# Altium PCB MioMicro.PcbDoc (continued)
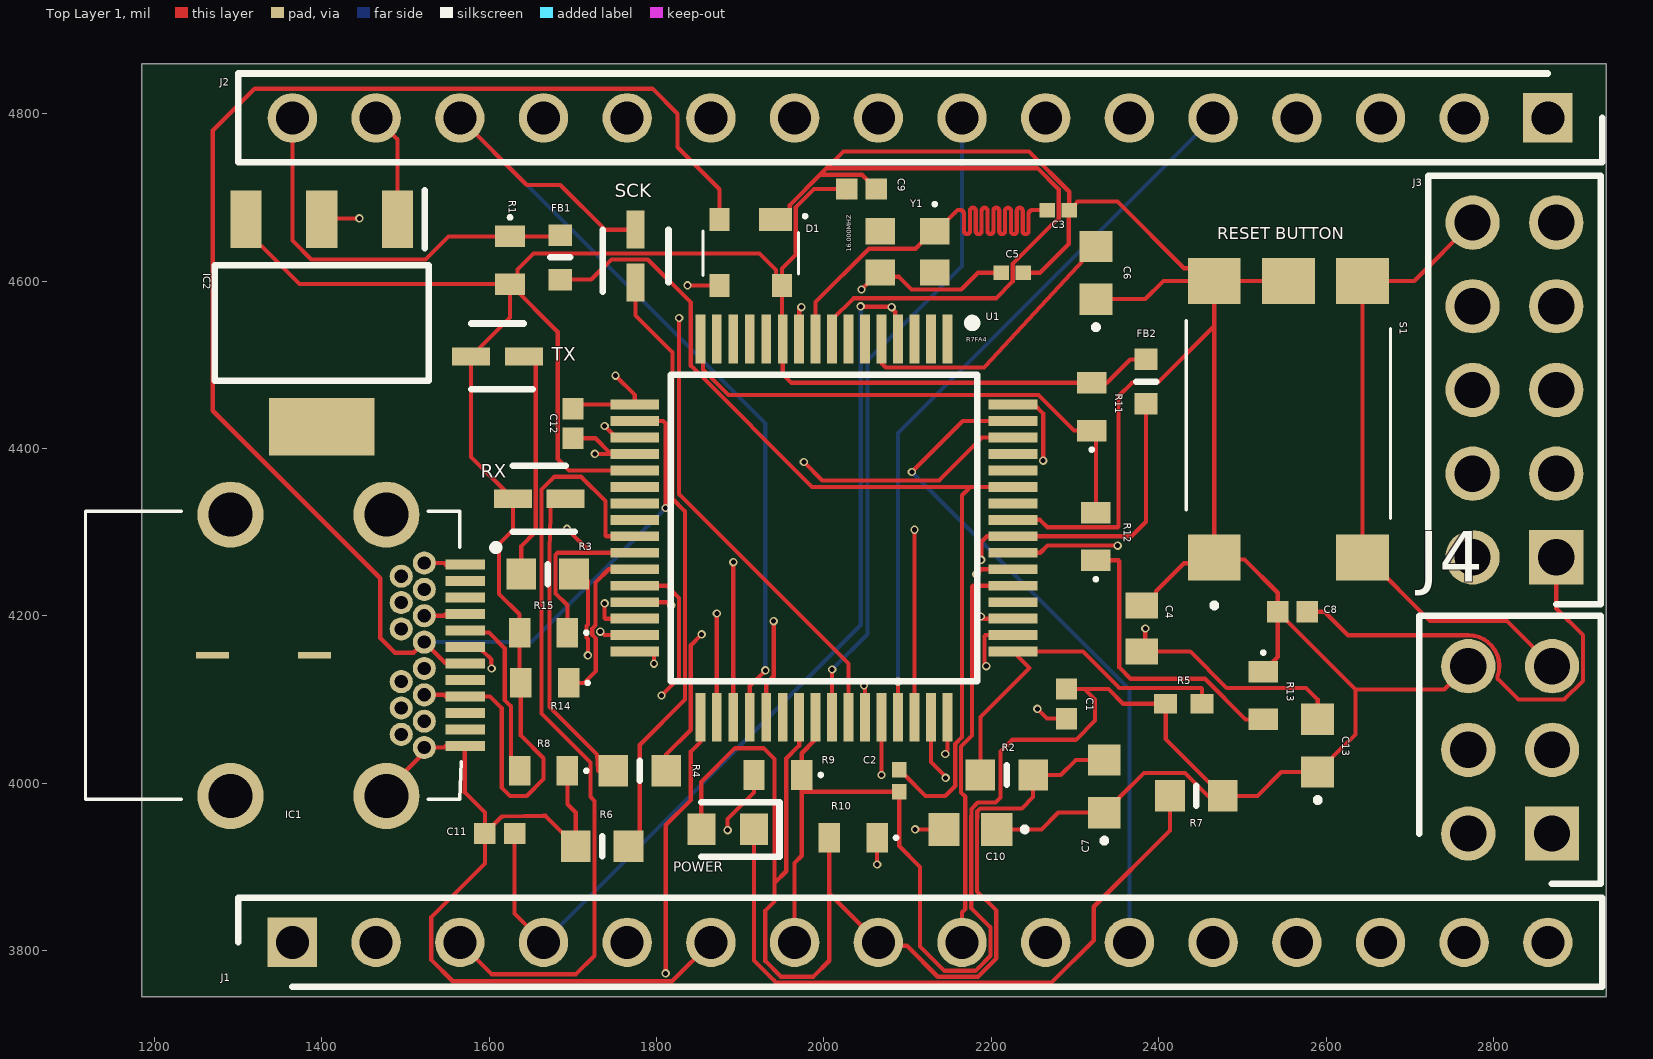
[diagram p0: Top Layer 1 view]
## Footprints (in the part's own frame and the unit in brackets; to place one, negate y for a bottom-side part, rotate by r counter-clockwise, add the part's x,y. Pads: shape width x height; smd on the part's side, far side on the other; paste and mask are expansions set on the pad)
15716363 [mm]
  rect 1.4x1.6 smd: 1(-4.2,2.25) 2(4.2,2.25) 3(-4.2,-2.25) 4(4.2,-2.25) 5(4.2,0)
  silkscreen extent -5.7,-3.1 3,3.1, body extent -4.13,-3.25 4.07,3.25, height 2.58
632723100011 [mm]
  rect 0.3x1.2 smd: A1(-2.75,5.28) A2(-2.25,5.28) A3(-1.75,5.28) A4(-1.25,5.28) A5(-0.75,5.28) A6(-0.25,5.28) A7(0.25,5.28) A8(0.75,5.28) A9(1.25,5.28) A10(1.75,5.28) A11(2.25,5.28) A12(2.75,5.28)
  round 0.7 hole 0.4: B1(2.8,4.03) B2(2.4,3.33) B3(1.6,3.33) B4(1.2,4.03) B5(0.8,3.33) B6(0.4,4.03) B7(-0.4,4.03) B8(-0.8,3.33) B9(-1.2,4.03) B10(-1.6,3.33) B11(-2.4,3.33) B12(-2.8,4.03) G1(-2,4.03) G2(2,4.03)
  round 2.01 hole 1.34: MH1(-4.27,2.88) MH2(4.27,2.88) MH3(-4.27,-1.85) MH4(4.27,-1.85)
  rect 0.2x1 smd: MP1(0,0.7) MP2(0,-2.4)
  silkscreen extent -4.37,-6.25 4.37,6.25, body extent -4.37,-6.24 4.37,5.55, height 2.93
ABM10 [mm]
  rect 0.9x0.8 smd: 1(-0.825,-0.625) 2(0.825,-0.625) 3(0.825,0.625) 4(-0.825,0.625)
  silkscreen extent -0.87,-1.5 -0.78,-1.4, body extent -1.25,-1 1.25,1, height 0.8
BLM18SP221SN1B [mm]
  rect 0.65x0.7 smd: 1(-0.675,0) 2(0.675,0)
  silkscreen extent 0,-0.3 0,0.3, body extent -0.8,-0.4 0.8,0.4, height 0.8
C0603 [mm]
  rect 0.95x1 smd: 1(-0.8,0) 2(0.8,0)
  silkscreen extent -1.7,-0.05 -1.6,0.05, body extent -0.87,-0.48 0.88,0.47, height 0.87
CAPC0603X33N [mm]
  rect 0.47x0.44 smd: 1(-0.335,0) 2(0.335,0)
  body extent -0.3,-0.15 0.3,0.15, height 0.33
CAPC1005X56N [mm]
  rect 0.65x0.64 smd: 1(-0.45,0) 2(0.45,0)
  body extent -0.5,-0.25 0.5,0.25, height 0.56
CAPC1608X90N [mm]
  rect 0.78x0.99 smd: 1(-0.7,0) 2(0.7,0)
  body extent -0.8,-0.41 0.8,0.41, height 0.9
ERA3AEB101V [mm]
  rect 0.65x0.9 smd: 1(-0.725,0) 2(0.725,0)
  silkscreen extent -1.35,-0.05 -1.25,0.05, body extent -0.8,-0.4 0.8,0.4, height 0.45
HDRV6W64P254_2X3_762X500X901P [mm]
  rect 1.65x1.65 hole 1.1: 1(0,0)
  round 1.65 hole 1.1: 2(0,2.54) 3(2.54,0) 4(2.54,2.54) 5(5.08,0) 6(5.08,2.54)
  silkscreen extent -1.52,-1.48 6.6,4.02, body extent -1.27,-1.23 6.35,3.77, height 9.01
HDRV10W64P254X254_2X5_1270X508X869P [mm]
  rect 1.65x1.65 hole 1.1: 1(0,0)
  round 1.65 hole 1.1: 2(0,2.54) 3(2.54,0) 4(2.54,2.54) 5(5.08,0) 6(5.08,2.54) 7(7.62,0) 8(7.62,2.54) 9(10.16,0) 10(10.16,2.54)
  silkscreen extent -1.42,-1.34 11.58,3.88, body extent -1.27,-1.27 11.43,3.81, height 8.69
LEDC1608X90N [mm]
  rect 0.85x0.95 smd: 1(-0.8,0) 2(0.8,0)
  silkscreen extent -1.58,-0.82 0.8,0.82, body extent -0.83,-0.4 0.77,0.4, height 0.8
LEDM1620X150N [mm]
  rect 1.15x0.55 smd: 1(-0.8,0) 2(0.8,0)
  silkscreen extent -1.07,-1 0.8,1, body extent -0.8,-0.4 0.8,0.4, height 0.55
PRTR5V0U2X [mm]
  rect 1x0.7 smd: 1(-0.75,-1)
  rect 0.6x0.7 smd: 2(0.95,-1) 3(0.95,1) 4(-0.95,1)
  silkscreen extent -1.7,-1.15 1.45,0.7, body extent -1.46,-1.2 1.44,1.2, height 0.95
QFP50P1200X1200X170-64N [mm]
  rect 1.475x0.3 smd: 1(-5.738,3.75) 2(-5.738,3.25) 3(-5.738,2.75) 4(-5.738,2.25) 5(-5.738,1.75) 6(-5.738,1.25) 7(-5.738,0.75) 8(-5.738,0.25) 9(-5.738,-0.25) 10(-5.738,-0.75) 11(-5.738,-1.25) 12(-5.738,-1.75) 13(-5.738,-2.25) 14(-5.738,-2.75) 15(-5.738,-3.25) 16(-5.738,-3.75) 33(5.738,-3.75) 34(5.738,-3.25) 35(5.738,-2.75) 36(5.738,-2.25) 37(5.738,-1.75) 38(5.738,-1.25) 39(5.738,-0.75) 40(5.738,-0.25) 41(5.738,0.25) 42(5.738,0.75) 43(5.738,1.25) 44(5.738,1.75) 45(5.738,2.25) 46(5.738,2.75) 47(5.738,3.25) 48(5.738,3.75)
  rect 0.3x1.475 smd: 17(-3.75,-5.738) 18(-3.25,-5.738) 19(-2.75,-5.738) 20(-2.25,-5.738) 21(-1.75,-5.738) 22(-1.25,-5.738) 23(-0.75,-5.738) 24(-0.25,-5.738) 25(0.25,-5.738) 26(0.75,-5.738) 27(1.25,-5.738) 28(1.75,-5.738) 29(2.25,-5.738) 30(2.75,-5.738) 31(3.25,-5.738) 32(3.75,-5.738) 49(3.75,5.738) 50(3.25,5.738) 51(2.75,5.738) 52(2.25,5.738) 53(1.75,5.738) 54(1.25,5.738) 55(0.75,5.738) 56(0.25,5.738) 57(-0.25,5.738) 58(-0.75,5.738) 59(-1.25,5.738) 60(-1.75,5.738) 61(-2.25,5.738) 62(-2.75,5.738) 63(-3.25,5.738) 64(-3.75,5.738)
  silkscreen extent -6.35,-4.65 4.65,4.65, body extent -6,-6 6,6, height 1.7
RESC1005X40N [mm]
  rect 0.7x0.6 smd: 1(-0.55,0) 2(0.55,0)
  body extent -0.51,-0.25 0.51,0.25, height 0.4
RESC1608X55N [mm]
  rect 0.9x0.95 smd: 1(-0.8,0) 2(0.8,0)
  silkscreen extent 0,-0.3 0,0.3, body extent -0.8,-0.4 0.8,0.4, height 0.55
RHDR16W82P0X254_1X16_4114X250X865P [mm]
  rect 1.5x1.5 hole 1: 1(0,0)
  round 1.5 hole 1: 2(2.54,0) 3(5.08,0) 4(7.62,0) 5(10.16,0) 6(12.7,0) 7(15.24,0) 8(17.78,0) 9(20.32,0) 10(22.86,0) 11(25.4,0) 12(27.94,0) 13(30.48,0) 14(33.02,0) 15(35.56,0) 16(38.1,0)
  silkscreen extent -1.65,-1.35 39.75,1.35, body extent -1.52,-1.25 39.62,1.25, height 8.65
SOT230P700X180-4N [mm]
  rect 1.75x0.95 smd: 1(-3.15,2.3) 2(-3.15,0) 3(-3.15,-2.3)
  rect 1.75x3.2 smd: 4(3.15,0)
  silkscreen extent -4.02,-3.25 1.75,3.25, body extent -3.5,-3.25 3.5,3.25, height 1.68

## Part data
C1 C8 C9 C11 C12: "Capacitor", Manufacturer_Name=AVX, Mouser Part Number=581-04025C104KAT2A, Arrow Part Number=04025C104KAT2A, Arrow Price/Stock=https://www.arrow.com/en/products/04025c104kat2a/avx?region=nac, Datasheet Link=http://www.mouser.com/catalog/supplier/library/pdf/AVXSurfaceMountCeramic.pdf, Height=0.56mm, Manufacturer_Part_Number=04025C104KAT2A, Mouser Price/Stock=https://www.mouser.co.uk/ProductDetail/AVX/04025C104KAT2A?qs=ZBeOGGPQgEFYcwOskjAIVQ%3D%3D
C2: "Capacitor", Manufacturer_Name=AVX, Mouser Part Number=581-02016D474KAT2A, Datasheet Link=http://www.mouser.com/catalog/supplier/library/pdf/AVXSurfaceMountCeramic.pdf, Height=0.33mm, Manufacturer_Part_Number=02016D474KAT2A, Mouser Price/Stock=https://www.mouser.co.uk/ProductDetail/AVX/02016D474KAT2A?qs=a6Vv43ErYnwNI9YcsWUNpw%3D%3D
C3 C5: "Capacitor", Manufacturer_Name=AVX, Mouser Part Number=581-02013A150GAT2A, Arrow Part Number=02013A150GAT2A, Arrow Price/Stock=https://www.arrow.com/en/products/02013a150gat2a/avx, Datasheet Link=http://www.mouser.com/catalog/supplier/library/pdf/AVXSurfaceMountCeramic.pdf, Height=0.33mm, Manufacturer_Part_Number=02013A150GAT2A, Mouser Price/Stock=https://www.mouser.co.uk/ProductDetail/AVX/02013A150GAT2A/?qs=o212fjDx7AHn1RFYvVFd2g%3D%3D
C4: "Capacitor", Manufacturer_Name=AVX, Mouser Part Number=581-06033G104Z, Arrow Part Number=06033G104ZAT2A, Arrow Price/Stock=https://www.arrow.com/en/products/06033g104zat2a/avx?region=nac, Datasheet Link=https://componentsearchengine.com/Datasheets/1/06031A100FAT2A.pdf, Height=0.9mm, Manufacturer_Part_Number=06033G104ZAT2A, Mouser Price/Stock=https://www.mouser.co.uk/ProductDetail/AVX/06033G104ZAT2A?qs=NXubJDmysXJMPmHfVo6Z%252BA%3D%3D
C6 C7 C10 C13: "Capacitor", Manufacturer_Name=KEMET, Mouser Part Number=80-C0603C475K9P, Arrow Part Number=C0603C475K9PACTU, Arrow Price/Stock=https://www.arrow.com/en/products/c0603c475k9pactu/kemet-corporation?region=nac, Datasheet Link=https://content.kemet.com/datasheets/KEM_C1006_X5R_SMD.pdf, Height=0.87mm, Manufacturer_Part_Number=C0603C475K9PACTU, Mouser Price/Stock=https://www.mouser.co.uk/ProductDetail/KEMET/C0603C475K9PACTU?qs=UdQET6xYxVBhr%252BaRHVEWxA%3D%3D
D1: "Diode", Manufacturer_Name=Nexperia, Mouser Part Number=771-PRTR5V0U2X-T/R, Arrow Part Number=PRTR5V0U2X,215, Arrow Price/Stock=https://www.arrow.com/en/products/prtr5v0u2x215/nexperia?region=europe, Datasheet Link=https://assets.nexperia.com/documents/data-sheet/PRTR5V0U2X.pdf, Height=1.1mm, Manufacturer_Part_Number=PRTR5V0U2X,215, Mouser Price/Stock=https://www.mouser.co.uk/ProductDetail/Nexperia/PRTR5V0U2X215?qs=LOCUfHb8d9sDkgY4cRj8Lw%3D%3D
FB1 FB2: "Ferrite Bead", Manufacturer_Name="Murata Electronics", Mouser Part Number=81-BLM18PG471SN1D, Arrow Part Number=BLM18PG471SN1D, Arrow Price/Stock=https://www.arrow.com/en/products/blm18pg471sn1d/murata-manufacturing?region=nac, Datasheet Link=http://www.murata.com/~/media/webrenewal/support/library/catalog/products/emc/emifil/c31e.ashx?la=en-gb, Height=0.95mm, Manufacturer_Part_Number=BLM18PG471SN1D, Mouser Price/Stock=https://www.mouser.co.uk/ProductDetail/Murata-Electronics/BLM18PG471SN1D?qs=EYzdjubb4S%2FN1Ip39GrHyg%3D%3D
IC1: "Integrated Circuit", Manufacturer_Name="Wurth Elektronik", Mouser Part Number=710-632723100011, Datasheet Link=https://componentsearchengine.com/Datasheets/1/632723100011.pdf, Height=3.11mm, Manufacturer_Part_Number=632723100011, Mouser Price/Stock=https://www.mouser.co.uk/ProductDetail/Wurth-Elektronik/632723100011?qs=NK6InXoXhq4o62C9ULXLjQ%3D%3D
IC2: "Integrated Circuit", Arrow Part Number=LM1117IMP-3.3/NOPB, Manufacturer_Name="Texas Instruments", Mouser Part Number=926-LM1117IMP3.3NOPB, Arrow Price/Stock=https://www.arrow.com/en/products/lm1117imp-3.3nopb/texas-instruments?region=nac, Datasheet Link=https://www.ti.com/lit/ds/symlink/lm1117.pdf?ts=1607578196475&ref_url=https%253A%252F%252Fwww.google.com%252F, Height=1.8mm, Manufacturer_Part_Number=LM1117IMP-3.3/NOPB, Mouser Price/Stock=https://www.mouser.co.uk/ProductDetail/Texas-Instruments/LM1117IMP-3.3-NOPB?qs=X1J7HmVL2ZFbpN1TgOsjYQ%3D%3D
J1 J2: "Connector", Manufacturer_Name="Wurth Elektronik", Mouser Part Number=710-61301611821, Datasheet Link=https://www.we-online.com/catalog/datasheet/61301611821.pdf, Height=8.65mm, Manufacturer_Part_Number=61301611821, Mouser Price/Stock=https://www.mouser.co.uk/ProductDetail/Wurth-Elektronik/61301611821?qs=xZ%2FP%252Ba9zWqYIxo6RU%252B1Wuw%3D%3D
J3: "Connector", Manufacturer_Name="Wurth Elektronik", Mouser Part Number=710-61301021121, Datasheet Link=https://www.mouser.com/datasheet/2/445/61301021121-1717849.pdf, Height=8.69mm, Manufacturer_Part_Number=61301021121, Mouser Price/Stock=https://www.mouser.co.uk/ProductDetail/Wurth-Elektronik/61301021121?qs=ZtY9WdtwX5612K9FdDCZCA%3D%3D
J4: "Connector", Manufacturer_Name="Adam Tech", Arrow Part Number=PH2-06-UA, Arrow Price/Stock=https://www.arrow.com/en/products/ph2-06-ua/adam-tech?region=nac, Datasheet Link=https://datasheet.datasheetarchive.com/originals/distributors/Datasheets_SAMA/c63e3fe101e7b6e3957e7ad4a1a98367.pdf, Height=9.008mm, Manufacturer_Part_Number=PH2-06-UA
LED1 LED2 LED4: "LED", Manufacturer_Name="ROHM Semiconductor", Mouser Part Number=755-SML-D12Y8WT86, Arrow Part Number=SML-D12Y8WT86, Arrow Price/Stock=https://www.arrow.com/en/products/sml-d12y8wt86/rohm-semiconductor, Datasheet Link=https://datasheet.datasheetarchive.com/originals/distributors/Datasheets_SAMA/f235664866caa647598714bb71411137.pdf, Height=1.5mm, Manufacturer_Part_Number=SML-D12Y8WT86, Mouser Price/Stock=https://www.mouser.co.uk/ProductDetail/ROHM-Semiconductor/SML-D12Y8WT86?qs=4kLU8WoGk0uSsIIn7EVV1A%3D%3D
LED3: "LED", Manufacturer_Name="Avago Technologies", Mouser Part Number=630-HSMG-C190, Datasheet Link=https://docs.broadcom.com/docs/AV02-0551EN, Height=0.9mm, Manufacturer_Part_Number=HSMG-C190, Mouser Price/Stock=https://www.mouser.co.uk/ProductDetail/Broadcom-Avago/HSMG-C190?qs=YDL0qNrpDT605sxOaps8VQ%3D%3D
R1 R8 R9 R10 R11 R12 R13 R14 R15: "Resistor", Manufacturer_Name=Panasonic, Mouser Part Number=667-ERA-3AED512V, Arrow Part Number=ERA-3AED512V, Arrow Price/Stock=https://www.arrow.com/en/products/era3aed512v/panasonic?region=nac, Datasheet Link=https://industrial.panasonic.com/cdbs/www-data/pdf/RDM0000/AOA0000C307.pdf, Height=0.55mm, Manufacturer_Part_Number=ERA-3AED512V, Mouser Price/Stock=https://www.mouser.co.uk/ProductDetail/Panasonic/ERA-3AED512V?qs=SWVmE3OSrOnwfhRAKpyP%252Bg%3D%3D
R2: "Resistor", Manufacturer_Name=Bourns, Mouser Part Number=652-CR0603-JW-104ELF, Arrow Part Number=CR0603-JW-104ELF, Arrow Price/Stock=https://www.arrow.com/en/products/cr0603-jw-104elf/bourns?region=europe, Datasheet Link=https://www.bourns.com/pdfs/chpreztr.pdf, Height=0.55mm, Manufacturer_Part_Number=CR0603-JW-104ELF, Mouser Price/Stock=https://www.mouser.co.uk/ProductDetail/Bourns/CR0603-JW-104ELF?qs=wOX%252BDVkMoZSK2gq9cFrtRg%3D%3D
R3 R4 R6 R7: "Resistor", Manufacturer_Name=Bourns, Mouser Part Number=652-CR0603-FX3300GLF, Arrow Part Number=CR0603-FX-3300GLF, Arrow Price/Stock=https://www.arrow.com/en/products/cr0603-fx-3300glf/bourns, Datasheet Link=https://www.bourns.com/pdfs/chpreztr.pdf, Height=0.55mm, Manufacturer_Part_Number=CR0603-FX-3300GLF, Mouser Price/Stock=https://www.mouser.com/Search/Refine.aspx?Keyword=652-CR0603-FX3300GLF
R5: "Resistor", Manufacturer_Name="KOA Speer", Mouser Part Number=660-RK73H1ETTP1372F, Datasheet Link=http://www.koaspeer.com/catimages/Products/RK73-RT/RK73-RT.pdf, Height=0.4mm, Manufacturer_Part_Number=RK73H1ETTP1372F, Mouser Price/Stock=https://www.mouser.co.uk/ProductDetail/KOA-Speer/RK73H1ETTP1372F?qs=5lBKR3i2fIPHUeKlxjMAIA%3D%3D
S1: "Switch", Manufacturer_Name="TE Connectivity", Mouser Part Number=506-1571636-3, Datasheet Link=https://www.mouser.com/datasheet/2/418/NG_CD_1571636_C2-652439.pdf, Height=2.5mm, Manufacturer_Part_Number=1571636-3, Mouser Price/Stock=https://www.mouser.co.uk/ProductDetail/TE-Connectivity-Alcoswitch/1571636-3?qs=9qK3lZr%252Bi0Iiy0ZiPH8Cfg%3D%3D
U1: "Integrated Circuit", Manufacturer_Name="Renesas Electronics", Mouser Part Number=968-7FA4M1AB3CFM#AA0, Datasheet Link=https://www.renesas.com/document/dst/renesas-ra4m1-group-datasheet?language=en&r=1054146, Height=1.7mm, Manufacturer_Part_Number=R7FA4M1AB3CFM#AA0, Mouser Price/Stock=https://www.mouser.co.uk/ProductDetail/Renesas-Electronics/R7FA4M1AB3CFMAA0?qs=d0WKAl%252BL4KbrKuAsyurXHw%3D%3D
Y1: "Crystal or Oscillator", Manufacturer_Name=ABRACON, Datasheet Link=https://abracon.com/Resonators/ABM10.pdf, Height=0.7mm, Manufacturer_Part_Number=ABM10-16.000MHZ-1-N20

## Via types
v1: diameter 10, hole 6, Top Layer 1 to Bottom Layer 1, 45 vias

## Nets (pads, with @x,y where several pads share a name; then routed paths per layer and width w, separated by ;. In a path a pad name is that pad's centre, name@x,y a point inside that pad or via, vN(x,y) a via of type N, cw(c..) or ccw(c..) an arc to the next point about the centre after c; other vN are vias at no path point)
+3V3: C4.2 C10.2 C11.2 C12.2 C13.2 IC2.2 J1.4 U1.4 U1.20 | length 3665.8
  Top Layer 1 w5: IC2.2 1400,4675 v1(1445,4675) ; C11.2 1630.43,3844.57 J1.4 ; C12.2 1727,4412.28 U1.20@1745.7,4393.58 ; v1(1726.42,4393.58) U1.20@1745.7,4393.58 ; U1.20 U1.20@1745.7,4393.58 ; v1(2044,4570) 2044.5,4569.5 2080.5,4569.5 v1(2081,4569) 2081,4567.65 2085.18,4563.47 2085.18,4534.31 U1.4 ; v1(2109,3945) C10.2 ; C4.2 C4.2@2384,4157.44 ; v1(2384,4185) C4.2@2384,4157.44 ; C13.2 2590,4100 2576,4114 2481.25,4114 2437.81,4157.44 C4.2@2384,4157.44
  Top signal w5: v1(2081,4569) 2081,4488 v1(2384,4185)
  VCC_Layer w5: v1(2109,3945) 2127.99,3945 2367.99,4185 v1(2384,4185)
  GND_Layer w5: v1(1726.42,4393.58) 1641.42,4393.58 1445,4590 v1(1445,4675) 1485,4715 1960,4715 2081,4594 v1(2081,4569)
  Bottom Layer 1 w5: J1.4 2044,4189 v1(2044,4570)
+5V: C7.2 C8.2 C9.2 D1.4 FB2.1 IC1.A4 IC1.A9 IC1.B4 IC1.B9 IC2.3 J1.2 J1.5 J1.8 J3.1 J4.2 LED1.2 LED2.2 LED3.2 R1.2 R2.2 R10.2 R11.2 R14.2 R15.2 U1.11 U1.21 U1.39 | length 4803.7
  Top Layer 1 w5: IC2.3 1309.45,4658.27 1325.65,4642.07 1327.93,4642.07 1373.54,4596.46 R1.2 ; IC1.B4 1546,4105.75 1547.97,4103.78 IC1.A9 1589.49,4103.78 1601.22,4103.78 1615,4090 1615,3995 1625,3985 1645,3985 1665,4005 1665,4030 1637.91,4057.09 R14.2 1636.46,4121.46 R15.2 1636.46,4202 1612,4226.46 1612,4286 1628.5,4302.5 LED2.2 1578.5,4390 LED1.2 1625,4556.5 R1.2 ; IC1.B9 1546,4200.24 1547.97,4202.2 IC1.A4 ; U1.21 1695.6,4373.9 1682,4387.5 1682,4539.46 R1.2 ; LED3.2 1853.5,4001.5 1894,4042 1928,4042 1941,4029 1941,3881 ; U1.39 1970.47,4045 1955,4029.53 1955,3895 1941,3881 ; R10.2 2006.46,3868.54 ; C9.2@2027.28,4700 C9.2@2017.28,4710 ; C9.2 C9.2@2017.28,4710 ; C7.2 2300.99,4027.99 2283,4010 R2.2 2250,3983.5 2236.5,3970 2186.75,3970 2183.3,3966.55 2183.3,3958.4 2183.05,3958.15 2183.05,3871 2206.03,3848.02 2206.03,3791.03 2183.97,3768.97 2136.03,3768.97 2099.1,3805.9 2069.1,3805.9 J1.8 2006.46,3868.54 ; FB2.1 2366.03,4506.57 2338,4478.54 R11.2 1961.24,4478.54 1950.79,4489 U1.11 1950,4531.69 D1.4@1950,4606.04 ; C8.2 2598,4205 2626.02,4176.98 2770,4176.98 cw(c2770,4140) 2804.95,4127.92 2804.95,4125.04 2829.99,4100 2884.5,4100 2907,4122.5 2907,4177 2875,4209 J3.1 ; R1.2 1633.82,4605.28 1633.82,4613.82 1653,4633 1923.04,4633 1942.69,4613.35 1942.69,4606.28 1942.93,4606.04 D1.4@1950,4606.04 ; 1941,3881 1941,3859 1930,3848 1930,3787.5 1948.5,3769 1987.46,3769 2006.46,3788 2006.46,3868.54 ; D1.4@1950,4606.04 1950,4615 1966.31,4631.31 1966.31,4688.03 1988.29,4710 C9.2@2017.28,4710
AREF: FB1.2 J2.16 R1.1 | length 487.8
  Top Layer 1 w5: J2.16 1365,4648.5 1387.5,4626 1524,4626 1551.54,4653.54 1683.54,4653.54 FB1.2
CC1: IC1.A5 R8.2 | length 209.4
  Top Layer 1 w5: IC1.A5 1573.98,4180.31 1599.69,4180.31 1618.62,4161.38 1618.62,4099.57 1626.16,4092.03 1626.16,4025.3 R8.2
CC2: IC1.B5 R9.2 | length 611.3
  Top Layer 1 w5: v1(1885,3944) 1885,3957.5 1916.46,3988.96 R9.2
  Bottom signal w5: IC1.B5 1476,4102.5 1476,4050 1582,3944 v1(1885,3944)
EXTAL: C5.1 U1.10 Y1.3 | length 890
  Top Layer 1 w5: U1.10 1970.47,4566.47 v1(1973,4569) ; v1(2045,4590) 2052.15,4597.15 2052.3,4597.15 2065.55,4610.39 2070.75,4605.19 2089.81,4605.19 2104.85,4590.15 2164.15,4590.15 2184,4610 C5.1
  GND_Layer w5: v1(1973,4569) 1901,4569 1890,4580 1890,4605 1897.76,4612.76 1906.07,4612.76 1908.57,4612.76 ccw(c1908.57,4617.76) 1913.57,4617.76 1913.57,4624.93 cw(c1917.07,4624.93) 1920.57,4624.93 1920.57,4601.56 ccw(c1924.07,4601.56) 1927.57,4601.56 1927.57,4624.93 cw(c1931.07,4624.93) 1934.57,4624.93 1934.57,4601.56 ccw(c1938.07,4601.56) 1941.57,4601.56 1941.57,4624.93 cw(c1945.07,4624.93) 1948.57,4624.93 1948.57,4601.56 ccw(c1952.07,4601.56) 1955.57,4601.56 1955.57,4624.93 cw(c1959.07,4624.93) 1962.57,4624.93 1962.57,4601.56 ccw(c1966.07,4601.56) 1969.57,4601.56 1969.57,4624.93 cw(c1973.07,4624.93) 1976.57,4624.93 1976.57,4601.56 ccw(c1980.07,4601.56) 1983.57,4601.56 1983.57,4624.93 cw(c1987.07,4624.93) 1990.57,4624.93 1990.57,4601.56 ccw(c1994.07,4601.56) 1997.57,4601.56 1997.57,4624.93 cw(c2001.07,4624.93) 2004.57,4624.93 2004.57,4601.56 ccw(c2008.07,4601.56) 2011.57,4601.56 2011.57,4607.76 cw(c2016.57,4607.76) 2016.57,4612.76 2022.24,4612.76 2026.14,4608.86 v1(2045,4590)
GND: C1.2 C2.1 C3.2 C4.1 C5.2 C6.1 C7.1 C8.1 C9.1 C10.1 C11.1 C12.1 C13.1 D1.1 IC1.A1 IC1.A12 IC1.B1 IC1.B12 IC1.MH1 IC1.MH2 IC1.MH3 IC1.MH4 IC2.1 J1.6 J1.7 J2.15 J3.3 J3.5 J3.9 J4.6 R5.1 R6.2 R7.2 R8.1 R9.1 R13.1 S1.1 S1.2 S1.5 U1.8 U1.17 U1.40 U1.57 | length 7120.9
  Top Layer 1 w5: J2.15 1490.55,4769.45 IC2.1 ; IC1.MH2 1477.28,3991.38 1522.56,4036.65 IC1.B1 1546,4042.76 1547.97,4044.72 IC1.A12@1571,4044.72 ; IC1.B12 1546,4263.23 1547.97,4261.26 IC1.A1 ; IC1.A12 IC1.A12@1571,4044.72 ; R8.1 1693.54,3974.96 1703.5,3965 R6.2@1703.5,3925.98 ; C12.1 1710.1,4452.64 U1.17 1774.09,4463.91 v1(1751,4487) ; R6.2 R6.2@1703.5,3925.98 ; J1.6 1818.5,3763.5 1556.5,3763.5 1530.97,3789.03 1530.97,3840.24 1595,3904.26 C11.1 ; D1.1 1948.03,4673.74 1959.31,4685.02 1959.31,4690.93 1995.48,4727.1 ; J1.7 1965,3905 1973.54,3913.54 1973.54,3991 ; U1.40 1990.16,4052.61 1973.54,4036 R9.1 1973.54,3991 ; U1.8 2009.84,4554.04 2035.31,4579.5 2205.59,4579.5 2225.56,4599.47 2225.56,4620.56 2276.84,4671.84 2277.93,4671.84 2280.56,4674.47 2280.56,4709.44 2255,4735 2003.39,4735 ; C9.1 2062.52,4710 2045.42,4727.1 1995.48,4727.1 ; C10.1 2260,3945 2280,3965 C7.1 2335.98,3965 2352.19,3981.2 2352.19,3982.19 2382.5,4012.5 2431.5,4012.5 2459,3985 R7.2 ; U1.57 2258.16,4314.84 2267,4306 2351,4306 2352,4307 2352,4462.5 2368.5,4479 2399,4479 2466.42,4546.42 ; C5.2 2258.23,4610 2292.6,4644.37 C3.2@2292.6,4685 ; C1.2 2311.28,4112.72 ; C3.2 2293.19,4706.81 2245,4755 2023.39,4755 2003.39,4735 ; C3.2@2293.78,4685 2299.94,4691.16 2299.94,4691.75 2303.19,4695 2350.76,4695 2430.35,4615.41 2437.42,4615.41 2445.41,4607.43 S1.2@2445.41,4600.35 ; C6.1 2384,4578.5 2405.85,4600.35 S1.2@2445.41,4600.35 ; C4.1 2384.13,4212.56 2396.99,4225.41 2396.99,4229.55 2430.35,4262.91 2459.68,4262.91 S1.1 ; R13.1 2542.28,4150.83 C8.1 ; S1.5 S1.2 ; J4.6 2768.89,4140 2741.18,4112.28 2635,4112.28 ; IC1.A12@1571,4044.72 1571,3989 1595,3965 C11.1 ; C11.1 1604.92,3950.1 1613.58,3958.92 1615.02,3960.36 1617.04,3960.4 1665.08,3961.26 1667.24,3961.26 1668.7,3959.8 1687.3,3941.2 1688.29,3941.2 R6.2@1703.5,3925.98 ; 1973.54,3991 1974.54,3990 C2.1 2090,3925 2115,3900 2115,3805 2144.03,3775.97 2181.07,3775.97 2184,3778.9 2184,3779 2199.03,3794.03 2199.03,3827.97 2176,3851 2176,3961 2176.3,3961.3 2176.3,3969.45 2183.85,3977 2205.07,3977 2211,3982.93 2211,4038 2225,4052 2301,4052 2324,4075 2324,4100 2311.28,4112.72 ; 1995.48,4727.1 2003.39,4735 ; 2311.28,4112.72 2340,4112.72 2357.72,4095 R5.1 2408.35,4053.15 2460.3,4001.2 2461.28,4001.2 2476.5,3985.98 R7.2 ; S1.2@2445.41,4600.35 S1.2 ; S1.1 2466.42,4546.42 ; S1.1 2468.55,4267.51 2502.49,4267.51 2542.28,4227.72 C8.1 ; 2466.42,4546.42 S1.2 ; R7.2 2518,3985 2546.5,4013.5 C13.1 2590.98,4013.5 2607.19,4029.7 2607.19,4030.69 2635,4058.5 2635,4112.28 ; C8.1 2542.48,4205 2552.58,4194.9 2552.58,4194.7 2635,4112.28
  Bottom signal w5: v1(1751,4487) 1751,4296 1965,4082 J1.7
MD: J1.1 R15.1 U1.26 | length 865
  Top Layer 1 w5: v1(1693,4304) 1721.53,4275.47 ; R15.1 1693.54,4212.73 1679.28,4227 1679.28,4273 1681.75,4275.47 1721.53,4275.47 ; U1.26 1721.53,4275.47
  GND_Layer w5: J1.1 1693,4138 v1(1693,4304)
NetC1_1: C1.1 FB2.2 U1.56 | length 614.8
  Top Layer 1 w5: v1(2188,4267) 2188,4288.16 2195,4295.16 U1.56 2367.66,4295.16 2385,4312.5 FB2.2 ; v1(2255,4089) 2266.72,4077.28 C1.1
  Top signal w5: v1(2188,4267) 2255,4200 v1(2255,4089)
NetC2_2: C2.2 FB1.1 U1.59 | length 1157.7
  Top Layer 1 w5: FB1.1 1722,4601.85 1746.15,4626 1789.52,4626 1841,4574.52 1841,4499 1985.79,4354.21 2175,4354.21 ; C2.2 2090,4015.79 2096.16,4009.63 2096.75,4009.63 2121.38,3985 2145,3985 2157,3997 2157,4047.15 2165,4055.15 2165,4344.21 2175,4354.21 ; U1.59 2175,4354.21
NetC6_2: C6.2 U1.5 | length 350.3
  Top Layer 1 w5: U1.5 2068.9,4502 2073.9,4497 2191.48,4497 2193.02,4498.54 2310.04,4625.3 C6.2
NetLED1_1: LED1.1 R3.1 | length 276.4
  Top Layer 1 w5: R3.1 1638.5,4283.5 1655.64,4300.64 1655.64,4501.67 1647.32,4510 LED1.1
NetLED2_1: LED2.1 R4.1 | length 384.4
  Top Layer 1 w5: LED2.1 1674.14,4340 1672.28,4278.34 1672.28,4091.22 1729,4034.5 1730,4015 R4.1
NetLED3_1: LED3.1 R7.1 | length 804.7
  Top Layer 1 w5: LED3.1 1916.5,3788.5 1940,3765 1940,3764.9 1942.93,3761.97 2271.97,3761.97 2322.4,3812.4 2322.4,3852.6 2413.5,3943.7 R7.1
NetLED4_1: LED4.1 R6.1 | length 733.8
  Top Layer 1 w5: R6.1 1780,3925 1780,4046 1834,4100 1834,4325 1819,4340 1819,4515 1775,4559 LED4.1
NetR2_1: R2.1 R5.2 U1.49 | length 441.8
  Top Layer 1 w5: R2.1 2187.01,4079.37 2245.45,4137.81 U1.49 2309.64,4157.36 2353,4114 2450.65,4114 2451.65,4113 R5.2
NetR11_1: R11.1 R12.2 U1.16 | length 632.5
  Top Layer 1 w5: U1.16 1855.53,4527.74 1855.53,4494.37 1885.9,4464 2256.46,4464 2299,4421.46 R11.1 2325,4416.46 R12.2
NetR12_1: R12.1 R13.2 | length 353.1
  Top Layer 1 w5: R12.1 2352,4266.46 2353,4265.46 2353,4138.5 2366.5,4125 2455.31,4125 2503.86,4076.46 R13.2
NetR14_1: R14.1 U1.27 | length 201.1
  Top Layer 1 w5: R14.1 1713.5,4120 1727.5,4134 1727.5,4173.11 1723.31,4177.31 1723.31,4185.18 1727,4188.87 1727,4239.79 1743,4255.79 U1.27
P000_AN00_AMP+: J1.10 U1.64 | length 789.5
  Top Layer 1 w5: U1.64 2251.36,4452.64 2262,4442 v1(2262,4385.5)
  GND_Layer w5: v1(2262,4385.5) 2261.04,4384.54 2251.54,4384.54 2128.95,4261.95 2128.95,3946.05 J1.10
P001_AN01_AMP-: J1.11 U1.63 | length 815.8
  Top Layer 1 w5: v1(2105,4372) 2165.95,4432.95 U1.63
  Bottom Layer 1 w5: v1(2105,4372) 2365,4112 J1.11
P002_AN02_AMPO: J1.12 U1.62 | length 1301.7
  Top Layer 1 w5: v1(1976,4384) 1998,4362 2137.73,4362 2189,4413.27 U1.62
  GND_Layer w5: v1(1976,4384) 2119,4241 2119,3787.5 2131.5,3775 2430,3775 J1.12
P012: R3.2 U1.55 | length 1045.5
  Top Layer 1 w5: R3.2 1710,4250 1718,4242 1718,4189.77 1716.31,4188.08 1716.31,4174.41 1718,4172.71 v1(1718,4153) ; U1.55 2258.47,4275.47 2267,4284 v1(2351,4284)
  GND_Layer w5: v1(1718,4153) 1963.44,4398.44 2278.56,4398.44 2351,4326 v1(2351,4284)
P013: R4.2 U1.54 | length 584.7
  Top Layer 1 w5: R4.2 1811.5,4034.5 1841,4064 1841,4165 v1(1854,4178) ; v1(2182.21,4250) 2188,4255.79 U1.54
  VCC_Layer w5: v1(1854,4178) 1884,4178 1956,4250 v1(2182.21,4250)
P014_AN09_DAC: J1.9 U1.53 | length 483.5
  Top Layer 1 w5: J1.9 2165,3846 2169,3850 2169,3984 2164,3989 2164,4044 2177,4057 2177,4235.1 2178,4236.1 U1.53
P100_AN22_SCL: J1.14 J1.16 U1.48 | length 975
  Top Layer 1 w5: v1(2145,4035) 2145,4036.35 2147.64,4038.99 U1.48
  GND_Layer w5: v1(2145,4035) 2135.95,4025.95 2135.95,4000 2277.95,3858 2489.5,3858 2522.5,3825 2522.5,3787.5 2535,3775 2630,3775 J1.14 2704,3771 2826,3771 J1.16
P101_AN21_SDA: J1.13 J1.15 U1.47 | length 810.8
  Top Layer 1 w5: U1.47 2127.95,4025.5 2145.45,4008 v1(2145.45,4006.66)
  GND_Layer w5: v1(2145.45,4006.66) 2256.23,4006.66 2257.57,4008 2367,4008 J1.13 2600,3845 2730,3845 J1.15
P102_SPI0_RSPCK_GPT2_B_CAN0_RX: J2.6 U1.46 | length 822.2
  Top Layer 1 w5: U1.46 v1(2108.27,4303)
  VCC_Layer w5: v1(2108.27,4303) 2365,4559.73 J2.6
P103_SPI0_SSL_GPT2_A_CAN0_TX: J2.5 U1.45 | length 871.8
  Top Layer 1 w5: U1.45 v1(2088.58,4121.58)
  Bottom Layer 1 w5: v1(2088.58,4121.58) 2088.58,4418.58 J2.5
P104_IRQ01_GPT1_B: J2.4 U1.44 | length 1753.8
  Top Layer 1 w5: v1(2068.9,4010) U1.44
  GND_Layer w5: v1(2068.9,4010) 1760.5,4010 1701.5,4069 1701.5,4288.63 1862.87,4450 2220,4450 J2.4
P105_IRQ00_GPT1_A: J2.3 U1.43 | length 2095.1
  Top Layer 1 w5: v1(2048,4117) 2049.21,4115.79 U1.43
  GND_Layer w5: v1(2048,4117) 1736.5,4117 1708.5,4145 1708.5,4170.5 1954,4416 1964.01,4416 1966.51,4416 ccw(c1966.51,4423.5) 1974.01,4423.5 1974.01,4425.5 cw(c1981.51,4425.5) 1989.01,4425.5 1989.01,4412.94 ccw(c1996.51,4412.94) 2004.01,4412.94 2004.01,4425.5 cw(c2011.51,4425.5) 2019.01,4425.5 2019.01,4412.94 ccw(c2026.51,4412.94) 2034.01,4412.94 2034.01,4425.5 cw(c2041.51,4425.5) 2049.01,4425.5 2049.01,4412.94 ccw(c2056.51,4412.94) 2064.01,4412.94 2064.01,4425.5 cw(c2071.51,4425.5) 2079.01,4425.5 2079.01,4412.94 ccw(c2086.51,4412.94) 2094.01,4412.94 2094.01,4425.5 cw(c2101.51,4425.5) 2109.01,4425.5 2109.01,4412.94 ccw(c2116.51,4412.94) 2124.01,4412.94 2124.01,4425.5 cw(c2131.51,4425.5) 2139.01,4425.5 2139.01,4412.94 ccw(c2146.51,4412.94) 2154.01,4412.94 2154.01,4425.5 cw(c2161.51,4425.5) 2169.01,4425.5 2169.01,4423.5 ccw(c2176.51,4423.5) 2176.51,4416 2189.8,4416 2611,4416 2665,4470 J2.3
P106_GPT0_B: J2.7 U1.42 | length 1229
  Top Layer 1 w5: v1(1827,4556) 1827,4345.5 2029.53,4142.97 U1.42
  GND_Layer w5: v1(1827,4556) 2250,4556 2265,4571 2265,4670 2265,4685 J2.7
P107_GPT0_A: J2.8 U1.41 | length 780.2
  Top Layer 1 w5: U1.41 v1(2009.84,4136)
  Bottom Layer 1 w5: v1(2009.84,4136) 2052,4178.16 2052,4505 2165,4618 J2.8
P108_SWDIO: J3.2 U1.33 | length 1493.1
  Top Layer 1 w5: v1(1811,3773) 1811,3950 1841,3980 1841,4038 1852.36,4049.36 U1.33
  VCC_Layer w5: v1(1811,3773) 2278,3773 J3.2
P109_SCI9_TXD: J2.12 J4.4 U1.34 | length 2078
  Top Layer 1 w5: U1.34 v1(1872.05,4202.9)
  Bottom signal w5: v1(1872.05,4202.9) 1765,4309.95 J2.12 2257,4303 2507,4303 J4.4
P110_SCI9_RXD: J2.13 J4.1 U1.35 | length 2631.1
  Top Layer 1 w5: U1.35 v1(1891.73,4264.27)
  Top signal w5: J2.13 1665,4466 1728,4403 1753,4403 v1(1891.73,4264.27)
  Bottom signal w5: J2.13 1700,4830 1893.5,4830 1911,4812.5 1911,4754 2146,4519 2355,4519 2541,4333 2791.5,4333 2812,4312.5 2812,3998 J4.1
P111_GPT3_A: J2.14 J4.3 LED4.2 U1.36 | length 2834.9
  Top Layer 1 w5: J2.14 1645,4715 1685,4715 1738.5,4661.5 LED4.2 ; U1.36 1911.42,4116.42 v1(1930,4135)
  Top signal w5: J2.14 1604,4834 2087.5,4834 2104,4817.5 2104,4741 2755,4090 2820,4090 J4.3
  Bottom Layer 1 w5: J2.14 1930,4430 v1(1930,4135)
P112_GPT3_B: J2.11 U1.37 | length 1025.7
  Top Layer 1 w5: U1.37 1931.1,4119 1940,4127.9 v1(1940,4193.88)
  VCC_Layer w5: J2.11 1865,4452.5 1723.31,4310.81 1723.31,4177.31 1732.11,4168.5 1914.62,4168.5 v1(1940,4193.88)
P300_SWCLK: J3.4 U1.32 | length 1313.9
  Top Layer 1 w5: U1.32 1797,4157.36 v1(1797,4143)
  VCC_Layer w5: v1(1797,4143) 2021,3919 2356.5,3919 2775,4337.5 J3.4
P301_SCI2_RXD: J2.1 U1.31 | length 2115.2
  Top Layer 1 w5: v1(1732.81,4181.24) 1733.85,4181.24 1738.05,4177.05 U1.31
  VCC_Layer w5: v1(1732.81,4181.24) 1965.19,4413.62 1973.58,4413.62 2205,4645.05 2205,4677.07 2207.93,4680 2355.07,4680 2358,4682.93 2358,4759.93 2355.65,4762.28 cw(c2365,4795) 2374.35,4762.28 2372,4759.93 2372,4683 2375,4680 2425,4680 2431.16,4686.16 2452.04,4707.04 ccw(c2446.73,4712.34) 2454.23,4712.34 2454.23,4714.76 cw(c2461.73,4714.76) 2469.23,4714.76 2469.23,4695.89 ccw(c2476.73,4695.89) 2484.23,4695.89 2484.23,4714.76 cw(c2491.73,4714.76) 2499.23,4714.76 2499.23,4695.89 ccw(c2506.73,4695.89) 2514.23,4695.89 2514.23,4714.76 cw(c2521.73,4714.76) 2529.23,4714.76 2529.23,4695.89 ccw(c2536.73,4695.89) 2544.23,4695.89 2544.23,4714.76 cw(c2551.73,4714.76) 2559.23,4714.76 2559.23,4695.89 ccw(c2566.73,4695.89) 2574.23,4695.89 2574.23,4714.76 cw(c2581.73,4714.76) 2589.23,4714.76 2589.23,4695.89 ccw(c2596.73,4695.89) 2604.23,4695.89 2604.23,4714.76 cw(c2611.73,4714.76) 2619.23,4714.76 2619.23,4695.89 ccw(c2626.73,4695.89) 2634.23,4695.89 2634.23,4697.5 cw(c2641.73,4697.5) 2641.73,4705 2644.23,4705 2670,4705 2710.87,4745.87 2794.89,4745.87 2815.87,4745.87 2816.89,4746.89 J2.1
P302_SCI2_TXD: J2.2 U1.30 | length 1406.5
  Top Layer 1 w5: v1(1738,4215) 1738,4197.73 1739,4196.73 U1.30
  GND_Layer w5: v1(1738,4215) 1963,4440 2354,4440 2630,4716 2630,4812.5 2647.5,4830 2730,4830 J2.2
P303_GPT7_B: J2.10 U1.29 | length 1087.2
  Top Layer 1 w5: U1.29 1814.08,4216.42 v1(1817.5,4213)
  Bottom signal w5: v1(1817.5,4213) 1630,4400.5 1630,4817 1650,4837 1923,4837 J2.10
P304_GPT7_A: J2.9 U1.28 | length 1306.8
  Top Layer 1 w5: U1.28 1812.5,4236.1 1827,4221.6 1827,4126 v1(1806,4105)
  VCC_Layer w5: v1(1806,4105) 1725,4105 1708,4122 1708,4535 1802,4629 1802,4812.5 1823.5,4834 2026,4834 J2.9
P501_SCI1_TXD: J3.8 U1.50 | length 830.3
  Top Layer 1 w5: v1(2194,4140) 2192,4142 2192,4176.05 2193,4177.05 U1.50
  GND_Layer w5: v1(2194,4140) 2258,4204 2409,4204 J3.8
P502_SCI1_RXD: J3.7 U1.51 | length 880.3
  Top Layer 1 w5: v1(2187.63,4199.37) 2190.27,4196.73 U1.51
  VCC_Layer w5: v1(2187.63,4199.37) 2521.27,4533 2838,4533 J3.7
RESET: J1.3 J3.10 J4.5 R10.1 S1.3 S1.4 U1.25 | length 3659.6
  Top Layer 1 w5: J1.3 1603,3772 1704,3772 1726,3794 1726,3979 1721,3984 1721,4025 1662.64,4083.36 1662.64,4350.96 1675,4363.4 1677.93,4366.33 1710,4366.33 1739,4337.33 1739,4296.16 1740,4295.16 U1.25 ; v1(2063.54,3903) R10.1 ; J3.10 2705.35,4600.35 S1.4 S1.3 2648.61,4269.65 2724.36,4193.9 2816.1,4193.9 J4.5
  GND_Layer w5: J1.3 1612,3763 2000,3763 ; v1(2063.54,3903) 2018,3857.46 2018,3781 2000,3763 ; J4.5 2907,4103 2907,3770 2900,3763 2000,3763
USB_D_N: D1.2 IC1.A7 IC1.B7 U1.18 | length 2043.5
  Top Layer 1 w5: IC1.A7 1548.15,4143.15 IC1.B7 1509.82,4156 1487.5,4156 1470,4173.5 1470,4245 1269.85,4445.15 1269.85,4779.85 1320,4830 1795,4830 1825,4800 1825,4760 1875.2,4709.8 D1.2 ; U1.18 1808,4432.95 1811,4429.95 v1(1811,4329)
  Bottom Layer 1 w5: IC1.B7 1650.74,4168.74 v1(1811,4329)
USB_D_P: D1.3 IC1.A6 IC1.B6 U1.19 | length 793.7
  Top Layer 1 w5: IC1.A6 1590.55,4159.43 1600.13,4151.04 1600.47,4150.7 1602.58,4147.99 v1(1603,4137.24) ; v1(1738,4427) 1748.33,4416.67 U1.19 ; v1(1837,4595) D1.3
  VCC_Layer w5: v1(1738,4427) 1837,4526 v1(1837,4595)
  GND_Layer w5: v1(1603,4137.24) IC1.B6 1573,4187.69 1573,4207 1738,4372 v1(1738,4427)
XTAL: C3.1 U1.9 Y1.1 | length 698.7
  Top Layer 1 w5: U1.9 1990.16,4575.16 2053.72,4638.72 2109.63,4638.72 2130.51,4659.61 Y1.1 ; Y1.1@2134.45,4659.61 2156.24,4681.4 2159.84,4685 2162.49,4685 cw(c2162.49,4680) 2167.49,4680 2167.49,4659.72 ccw(c2170.99,4659.72) 2174.49,4659.72 2174.49,4684.13 cw(c2177.99,4684.13) 2181.49,4684.13 2181.49,4659.72 ccw(c2184.99,4659.72) 2188.49,4659.72 2188.49,4684.13 cw(c2191.99,4684.13) 2195.49,4684.13 2195.49,4659.72 ccw(c2198.99,4659.72) 2202.49,4659.72 2202.49,4684.13 cw(c2205.99,4684.13) 2209.49,4684.13 2209.49,4659.72 ccw(c2212.99,4659.72) 2216.49,4659.72 2216.49,4684.13 cw(c2219.99,4684.13) 2223.49,4684.13 2223.49,4659.72 ccw(c2226.99,4659.72) 2230.49,4659.72 2230.49,4684.13 cw(c2233.99,4684.13) 2237.49,4684.13 2237.49,4659.72 ccw(c2240.99,4659.72) 2244.49,4659.72 2244.49,4680 cw(c2249.49,4680) 2249.49,4685 2261.11,4685 C3.1
pads on no net: IC1.A2 IC1.A3 IC1.A8 IC1.A10 IC1.A11 IC1.B2 IC1.B3 IC1.B8 IC1.B10 IC1.B11 IC1.G1 IC1.G2 IC1.MP1 IC1.MP2 IC2.4 J3.6 U1.1 U1.2 U1.3 U1.6 U1.7 U1.12 U1.13 U1.14 U1.15 U1.22 U1.23 U1.24 U1.38 U1.52 U1.58 U1.60 U1.61 Y1.2 Y1.4

## Polygon pours and split planes (outlines as drawn)
+5V on VCC_Layer "+5V_L04_P001" (solid, pour order 1): 1205,4840 2920,4840 2920,3760 1205,3760
GND on GND_Layer "GND_L02_P000" (solid, pour order 0): 1355,4830 1370,4830 1505,4830 1625,4710 2880,4710 2920,4670 2920,4230 2580,3890 2115,3890 1985,3760 1435,3760 1210,3985 1210,4685

## Silkscreen, mask and mechanical layers (free items; w line width, h text height)
Top Overlay:
  text "SCK" at 1750,4700 h16
  text "RESET BUTTON" at 2470,4645 h25
  text "16.000MHZ" at 2034.88,4635 h10 r90
  text "R7FA4" at 2170,4525 h10
  text "TX" at 1675,4505 h16
  text "RX" at 1590,4365 h16
  text "POWER" at 1820,3890 h20
Bottom Overlay:
  lines w10: 2550,3990 2870,3990 ; 2550,4090 2870,4090 ; 2550,4185 2870,4185 ; 2550,4320 2875,4320 ; 2550,4420 2875,4420 ; 2555,4225 2875,4225 ; 2870,3885 2855,3885 2550,3885 2550,4530 ; 2875,4525 2555,4525 2550,4530 ; 2875,4620 2550,4620 ; 2875,4720 2550,4720 2550,4620 ; 2550,4530 2550,4620
  text "D1/TX" at 2790,4740.22 h20
  text "D0/RX" at 2890,4740.22 h20
  text "D9" at 1960.22,4735 h20 r270
  text "D8" at 2055.22,4735 h20 r270
  text "D7" at 2160,4735 h20 r270
  text "D6" at 2260.22,4735 h20 r270
  text "D5" at 2360.22,4735 h20 r270
  text "D4" at 2460,4735 h20 r270
  text "D3" at 2560.22,4735 h20 r270
  text "D2" at 2660,4735 h20 r270
  text "GND" at 1460.22,4715 h20 r270
  text "AREF" at 1360,4710 h20 r270
  text "D10/CS" at 1860.22,4695 h20 r270
  text "D13/SCK" at 1560.22,4685 h20 r270
  text "D12/MISO" at 1660.22,4675 h20 r270
  text "D11/MOSI" at 1760.22,4675 h20 r270
  text "Multifunction microcontroller designed by Filippo Torreggiani" at 2505,4675 h30 r90
  text "RESET" at 2635,4660.22 h20
  text "GND" at 2705,4660.22 h20
  text "TX" at 2635,4565 h20
  text "RX" at 2710,4565 h20
  text "MioMicro" at 1705,4525 h70
  text "GND" at 2710,4465.22 h20
  text "-----" at 2635,4461.15 h20
  text "SWCLK" at 2635,4365.22 h20
  text "GND" at 2710,4365.22 h20
  text "USB-C 3.1" at 1250,4275 h60 r90
  text "SWDIO" at 2635,4265.22 h20
  text "5V" at 2710,4265.22 h20
  text "GND" at 2635,4135.22 h20
  text "RESET" at 2710,4135.22 h20
  text "TXD" at 2620,4035 h20
  text "GPT3_A" at 2715,4033.55 h20
  text "5V" at 2635,3935.22 h20
  text "RXD" at 2710,3935 h20
  text "SDA" at 2780,3855.22 h20
  text "SCL" at 2875,3855.22 h20
  text "NC" at 1355.22,3850 h20 r270
  text "IOREF" at 1455.22,3850 h20 r270
  text "RESET" at 1555.22,3850 h20 r270
  text "3V3" at 1660.22,3850 h20 r270
  text "5V" at 1755.22,3850 h20 r270
  text "GND" at 1855.22,3850 h20 r270
  text "GND" at 1955.22,3850 h20 r270
  text "VIN" at 2055,3850.02 h20 r270
  text "A0" at 2155.22,3850 h20 r270
  text "A1" at 2255,3850 h20 r270
  text "A2" at 2355,3850 h20 r270
  text "A3" at 2455.22,3850 h20 r270
  text "A4" at 2550,3850 h20 r270
  text "A5" at 2650.22,3850 h20 r270
Mechanical 1:
  text "Multifunction microcontroller (Micro code: R7FA4M1AB3CFM#AA0)    Quartz Oscillator --> 16.000 MHZ                                                                           Digital OUTPUT: 9 Digital INPUT: 9                                                                                                                                Analog OUTPUT: 6 Analog INPUT: 6                                                                                                                                  Reset Button --> Pin: RES N.25 (micro)                                                                                                                             USB-C 3.1 (programmable port)                                   D0/D1 = RX/TX" at 2995,3876.58 h30

## Dimensions
1185,3745 to 1185,4860 on Mechanical 1
1185,4860 to 2935,4860 on Mechanical 1